# KiCad board CM4IOv5_original_harmonized.kicad_pcb (continued)
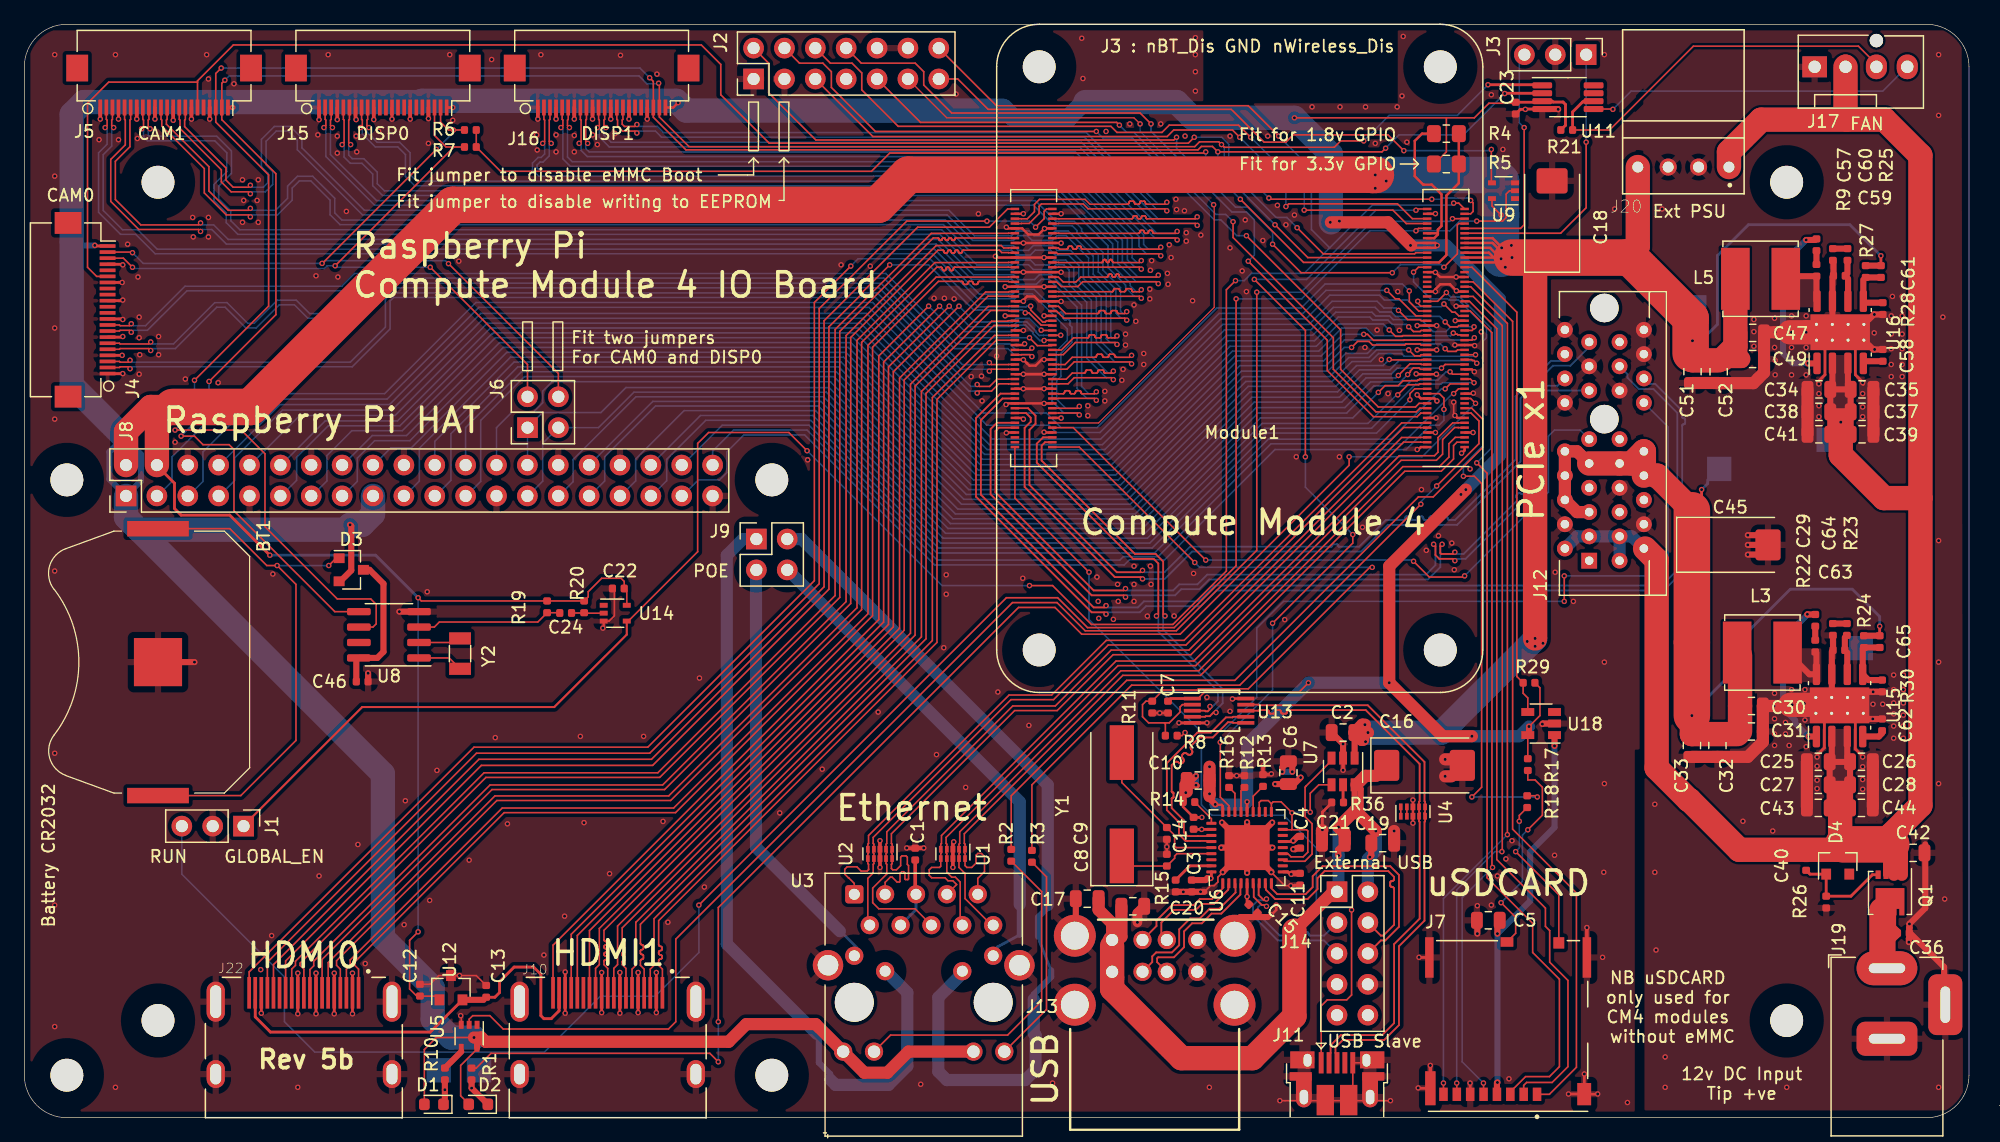
[diagram p0: board, top side]
## Routing (per net, layer and track width the routed paths; a pad name or vN(x,y) marks a point on that pad's centre or on a via; arc(x,y) is an arc through that point) (continued)
  Bottom w0.127: v1(88.2,59.75) 88.04,59.59 87.58,59.59 86.99,60.18 86.99,66.88 84.48,69.39 83.52,69.39 83.12,68.99 81.78,68.99 81.38,69.39 78.08,69.39 75.18,72.29 16.78,72.29 15.58,73.49 14.66,73.49 v1(14.5,73.65)
/CM4_HighSpeed/CAM1_D2_N: length 104.5
  Top w0.127: Module1.133 85.11,61.6 85.12,61.61 85.78,61.61 86.38,62.21 90.94,62.21 v1(91.1,62.05) ; v1(18.6,74.15) 18.44,74.31 16.62,74.31 14.81,76.12 14.81,78.12 11.31,81.62 11.31,82.11 11.25,82.17 J5.11
  Bottom w0.127: v1(91.1,62.05) 90.94,62.21 89.72,62.21 88.21,63.72 88.21,67.47 86.76,68.92 86.76,70.17 85.92,71.01 84.82,71.01 84.42,71.41 83.18,71.41 82.78,71.01 81.62,71.01 81.22,71.41 77.72,71.41 75.62,73.51 25.97,73.51 25.16,74.32 25.16,75.52 23.57,77.11 22.63,77.11 22.04,76.52 22.04,75.52 20.83,74.31 18.76,74.31 v1(18.6,74.15)
/CM4_HighSpeed/CAM1_D2_P: length 104.4
  Top w0.127: Module1.135 85.11,62 85.12,61.99 85.62,61.99 86.22,62.59 88.09,62.59 88.12,62.59 88.14,62.6 88.17,62.62 88.19,62.64 88.2,62.66 88.21,62.69 88.22,62.74 88.23,62.77 88.24,62.79 88.26,62.81 88.29,62.83 88.31,62.84 88.34,62.84 88.59,62.84 88.62,62.84 88.64,62.83 88.67,62.81 88.69,62.79 88.7,62.77 88.71,62.74 88.72,62.69 88.73,62.66 88.74,62.64 88.76,62.62 88.79,62.6 88.81,62.59 88.84,62.59 89.09,62.59 89.12,62.59 89.14,62.6 89.17,62.62 89.19,62.64 89.2,62.66 89.21,62.69 89.22,62.74 89.23,62.77 89.24,62.79 89.26,62.81 89.29,62.83 89.31,62.84 89.34,62.84 89.59,62.84 89.62,62.84 89.64,62.83 89.67,62.81 89.69,62.79 89.7,62.77 89.71,62.74 89.72,62.69 89.73,62.66 89.74,62.64 89.76,62.62 89.79,62.6 89.81,62.59 89.84,62.59 90.94,62.59 v1(91.1,62.75) ; J5.12 11.75,82.17 11.69,82.11 11.69,81.78 15.19,78.28 15.19,76.28 16.78,74.69 18.44,74.69 v1(18.6,74.85)
  Bottom w0.127: v1(18.6,74.85) 18.76,74.69 20.67,74.69 21.66,75.68 21.66,76.68 22.47,77.49 23.73,77.49 25.54,75.68 25.54,74.48 26.13,73.89 75.78,73.89 77.88,71.79 81.38,71.79 81.78,71.39 82.62,71.39 83.02,71.79 84.58,71.79 84.98,71.39 86.08,71.39 87.14,70.33 87.14,69.08 88.59,67.63 88.59,63.88 89.88,62.59 90.94,62.59 v1(91.1,62.75)
/CM4_HighSpeed/CAM1_D3_N: length 103.9
  Top w0.127: v1(89.9,63.65) 89.74,63.81 86.48,63.81 85.48,62.81 85.12,62.81 85.11,62.8 Module1.139 ; J5.14 12.75,82.17 12.81,82.11 12.81,81.42 16.21,78.02 16.21,77.02 17.02,76.21 18.44,76.21 v1(18.6,76.05)
  Bottom w0.127: v1(18.6,76.05) 18.76,76.21 19.83,76.21 20.44,76.82 20.44,77.88 19.89,78.43 19.89,80.37 20.73,81.21 21.72,81.21 22.46,80.47 22.46,79.67 27.82,74.31 75.92,74.31 78.02,72.21 81.38,72.21 81.78,72.61 82.52,72.61 82.92,72.21 84.58,72.21 84.98,72.61 85.72,72.61 87.56,70.77 87.56,69.27 89.01,67.82 89.01,64.12 89.32,63.81 89.74,63.81 v1(89.9,63.65)
/CM4_HighSpeed/CAM1_D3_P: length 103.8
  Top w0.127: J5.15 13.25,82.17 13.19,82.11 13.19,81.58 16.59,78.18 16.59,77.18 17.18,76.59 18.44,76.59 v1(18.6,76.75) ; v1(89.9,64.35) 89.74,64.19 89.21,64.19 89.18,64.19 89.16,64.2 89.13,64.22 89.11,64.24 89.1,64.26 89.09,64.29 89.08,64.34 89.07,64.37 89.06,64.39 89.04,64.41 89.01,64.43 88.99,64.44 88.96,64.44 88.71,64.44 88.68,64.44 88.66,64.43 88.63,64.41 88.61,64.39 88.6,64.37 88.59,64.34 88.58,64.29 88.57,64.26 88.56,64.24 88.54,64.22 88.51,64.2 88.49,64.19 88.46,64.19 88.21,64.19 88.18,64.19 88.16,64.2 88.13,64.22 88.11,64.24 88.1,64.26 88.09,64.29 88.08,64.34 88.07,64.37 88.06,64.39 88.04,64.41 88.01,64.43 87.99,64.44 87.96,64.44 87.71,64.44 87.68,64.44 87.66,64.43 87.63,64.41 87.61,64.39 87.6,64.37 87.59,64.34 87.58,64.29 87.57,64.26 87.56,64.24 87.54,64.22 87.51,64.2 87.49,64.19 87.46,64.19 86.32,64.19 85.32,63.19 85.12,63.19 85.11,63.2 Module1.141
  Bottom w0.127: v1(18.6,76.75) 18.76,76.59 19.67,76.59 20.06,76.98 20.06,77.72 19.51,78.27 19.51,80.53 20.57,81.59 21.88,81.59 22.84,80.63 22.84,79.83 27.98,74.69 76.08,74.69 78.18,72.59 81.22,72.59 81.62,72.99 82.68,72.99 83.08,72.59 84.42,72.59 84.82,72.99 85.88,72.99 87.94,70.93 87.94,69.43 89.39,67.98 89.39,64.28 89.48,64.19 89.74,64.19 v1(89.9,64.35)
/CM4_HighSpeed/CAM_GPIO: length 143.1
  Top w0.13: v1(96.25,80.7) 95.77,80.21 61.29,80.21 57.3,84.2 57.3,86.7 55.7,88.3 17.2,88.3 14.25,85.35 14.25,85.24 ; Module1.97 119,74.4 119.2,74.6 119.2,75.3 v1(119,75.5) ; v1(102.4,75.7) 102.5,75.6 v1(115.8,75.6) ; 14.25,85.24 J5.17 ; 14.25,85.24 6.94,85.24 5.2,83.5 5.2,70 5.95,69.25 J4.17
  Bottom w0.13: v1(102.4,75.7) 99.1,79 99.1,80.12 98.52,80.7 v1(96.25,80.7) ; v1(119,75.5) 118.8,75.7 116.7,75.7 116.6,75.6 v1(115.8,75.6)
/CM4_HighSpeed/DSI0_C_N: length 83.8
  Top w0.127: v1(27.65,81.5) 27.81,81.66 27.81,82.11 27.75,82.17 J15.8 ; v1(93.3,68.65) 93.14,68.81 87.08,68.81 86.68,68.41 85.32,68.41 84.92,68.81
  Bottom w0.127: v1(93.3,68.65) 93.14,68.81 91.47,68.81 89.96,70.32 89.96,72.07 85.32,76.71 32.12,76.71 31.36,77.47 31.36,79.27 30.72,79.91 28.87,79.91 27.81,80.97 27.81,81.34 v1(27.65,81.5)
/CM4_HighSpeed/DSI0_C_P: length 83.8
  Top w0.127: v1(28.35,81.5) 28.19,81.66 28.19,82.11 28.25,82.17 J15.9 ; 84.84,69.19 85.08,69.19 85.48,68.79 86.52,68.79 86.92,69.19 89.06,69.19 89.09,69.19 89.12,69.2 89.14,69.22 89.16,69.24 89.18,69.26 89.18,69.29 89.19,69.34 89.2,69.37 89.21,69.39 89.23,69.41 89.26,69.42 89.28,69.43 89.31,69.44 89.36,69.44 89.39,69.43 89.42,69.42 89.44,69.41 89.46,69.39 89.48,69.37 89.48,69.34 89.49,69.29 89.5,69.26 89.51,69.24 89.53,69.22 89.56,69.2 89.58,69.19 89.61,69.19 89.66,69.19 89.69,69.19 89.72,69.2 89.74,69.22 89.76,69.24 89.78,69.26 89.78,69.29 89.79,69.34 89.8,69.37 89.81,69.39 89.83,69.41 89.86,69.42 89.88,69.43 89.91,69.44 89.96,69.44 89.99,69.43 90.02,69.42 90.04,69.41 90.06,69.39 90.08,69.37 90.08,69.34 90.09,69.29 90.1,69.26 90.11,69.24 90.13,69.22 90.16,69.2 90.18,69.19 90.21,69.19 93.14,69.19 v1(93.3,69.35)
  Bottom w0.127: v1(93.3,69.35) 93.14,69.19 91.63,69.19 90.34,70.48 90.34,72.23 85.48,77.09 32.28,77.09 31.74,77.63 31.74,79.43 30.88,80.29 29.03,80.29 28.19,81.13 28.19,81.34 v1(28.35,81.5)
/CM4_HighSpeed/DSI0_D0_N: length 83.9
  Top w0.127: v1(24.65,81.5) 24.81,81.66 24.81,82.11 24.75,82.17 J15.2 ; v1(90.7,65.65) 90.54,65.81 85.52,65.81 84.92,66.41
  Bottom w0.127: v1(24.65,81.5) 24.81,81.34 24.81,79.12 28.82,75.11 83.02,75.11 84.72,73.41 86.22,73.41 86.61,73.02 86.61,72.82 88.36,71.07 88.36,69.62 89.81,68.17 89.81,66.22 90.22,65.81 90.54,65.81 v1(90.7,65.65)
/CM4_HighSpeed/DSI0_D0_P: length 83.9
  Top w0.127: v1(25.35,81.5) 25.19,81.66 25.19,82.11 25.25,82.17 J15.3 ; 84.84,66.79 85.08,66.79 85.68,66.19 88.29,66.19 88.32,66.19 88.35,66.2 88.37,66.22 88.39,66.24 88.41,66.26 88.41,66.29 88.42,66.34 88.43,66.37 88.44,66.39 88.46,66.41 88.49,66.42 88.51,66.43 88.54,66.44 88.79,66.44 88.82,66.43 88.85,66.42 88.87,66.41 88.89,66.39 88.91,66.37 88.91,66.34 88.92,66.29 88.93,66.26 88.94,66.24 88.96,66.22 88.99,66.2 89.01,66.19 89.04,66.19 89.29,66.19 89.32,66.19 89.35,66.2 89.37,66.22 89.39,66.24 89.41,66.26 89.41,66.29 89.42,66.34 89.43,66.37 89.44,66.39 89.46,66.41 89.49,66.42 89.51,66.43 89.54,66.44 89.79,66.44 89.82,66.43 89.85,66.42 89.87,66.41 89.89,66.39 89.91,66.37 89.91,66.34 89.92,66.29 89.93,66.26 89.94,66.24 89.96,66.22 89.99,66.2 90.01,66.19 90.04,66.19 90.54,66.19 v1(90.7,66.35)
  Bottom w0.127: v1(90.7,66.35) 90.54,66.19 90.38,66.19 90.19,66.38 90.19,68.33 88.74,69.78 88.74,71.23 86.99,72.98 86.99,73.18 86.38,73.79 84.88,73.79 83.18,75.49 28.98,75.49 25.19,79.28 25.19,81.34 v1(25.35,81.5)
/CM4_HighSpeed/DSI0_D1_N: length 83.8
  Top w0.127: J15.5 26.25,82.17 26.31,82.11 26.31,80.26 v1(26.15,80.1) ; Module1.163 85.11,67.6 85.12,67.61 91.74,67.61 v1(91.9,67.45)
  Bottom w0.127: v1(26.15,80.1) 26.31,79.94 26.31,79.07 26.82,78.56 27.77,78.56 28.66,77.67 28.66,76.72 29.47,75.91 85.02,75.91 89.16,71.77 89.16,69.97 90.61,68.52 90.61,68.32 91.32,67.61 91.74,67.61 v1(91.9,67.45)
/CM4_HighSpeed/DSI0_D1_P: length 83.7
  Top w0.127: v1(26.85,80.1) 26.69,80.26 26.69,82.11 26.75,82.17 J15.6 ; v1(91.9,68.15) 91.74,67.99 91.24,67.99 91.21,67.99 91.19,68 91.16,68.02 91.14,68.04 91.13,68.06 91.12,68.09 91.11,68.14 91.1,68.17 91.09,68.19 91.07,68.21 91.04,68.23 91.02,68.24 90.99,68.24 90.74,68.24 90.71,68.24 90.69,68.23 90.66,68.21 90.64,68.19 90.63,68.17 90.62,68.14 90.61,68.09 90.6,68.06 90.59,68.04 90.57,68.02 90.54,68 90.52,67.99 90.49,67.99 90.24,67.99 90.21,67.99 90.19,68 90.16,68.02 90.14,68.04 90.13,68.06 90.12,68.09 90.11,68.14 90.1,68.17 90.09,68.19 90.07,68.21 90.04,68.23 90.02,68.24 89.99,68.24 89.74,68.24 89.71,68.24 89.69,68.23 89.66,68.21 89.64,68.19 89.63,68.17 89.62,68.14 89.61,68.09 89.6,68.06 89.59,68.04 89.57,68.02 89.54,68 89.52,67.99 89.49,67.99 85.12,67.99 85.11,68 Module1.165
  Bottom w0.127: v1(91.9,68.15) 91.74,67.99 91.48,67.99 90.99,68.48 90.99,68.68 89.54,70.13 89.54,71.93 85.18,76.29 29.63,76.29 29.04,76.88 29.04,77.83 27.93,78.94 26.98,78.94 26.69,79.23 26.69,79.94 v1(26.85,80.1)
/CM4_HighSpeed/DSI1_C_N: length 66.1
  Top w0.127: v1(45.65,80.2) 45.81,80.36 45.81,82.11 45.75,82.17 J16.8 ; Module1.187 85.11,72.4 85.12,72.41 94.69,72.41 v1(94.85,72.25)
  Bottom w0.127: v1(45.65,80.2) 45.81,80.04 45.81,79.62 46.32,79.11 86.32,79.11 93.02,72.41 94.69,72.41 v1(94.85,72.25)
/CM4_HighSpeed/DSI1_C_P: length 66.1
  Top w0.127: Module1.189 85.11,72.8 85.12,72.79 91.66,72.79 91.69,72.79 91.71,72.8 91.74,72.82 91.76,72.84 91.77,72.86 91.78,72.89 91.79,72.94 91.8,72.97 91.81,72.99 91.83,73.01 91.86,73.03 91.88,73.04 91.91,73.04 92.01,73.04 92.04,73.04 92.06,73.03 92.09,73.01 92.11,72.99 92.12,72.97 92.13,72.94 92.14,72.89 92.15,72.86 92.16,72.84 92.18,72.82 92.21,72.8 92.23,72.79 92.26,72.79 92.36,72.79 92.39,72.79 92.41,72.8 92.44,72.82 92.46,72.84 92.47,72.86 92.48,72.89 92.49,72.94 92.5,72.97 92.51,72.99 92.53,73.01 92.56,73.03 92.58,73.04 92.61,73.04 92.71,73.04 92.74,73.04 92.76,73.03 92.79,73.01 92.81,72.99 92.82,72.97 92.83,72.94 92.84,72.89 92.85,72.86 92.86,72.84 92.88,72.82 92.91,72.8 92.93,72.79 92.96,72.79 94.69,72.79 v1(94.85,72.95) ; v1(46.35,80.2) 46.19,80.36 46.19,82.11 46.25,82.17 J16.9
  Bottom w0.127: v1(46.35,80.2) 46.19,80.04 46.19,79.78 46.48,79.49 86.48,79.49 93.18,72.79 94.69,72.79 v1(94.85,72.95)
/CM4_HighSpeed/DSI1_D0_N: length 67.7
  Top w0.127: J16.2 42.75,82.17 42.81,82.11 42.81,80.36 v1(42.65,80.2) ; v1(91.9,69.85) 91.74,70.01 85.12,70.01 85.11,70 Module1.175
  Bottom w0.127: v1(91.9,69.85) 91.74,70.01 91.37,70.01 90.76,70.62 90.76,72.37 85.62,77.51 42.32,77.51 41.81,78.02 41.81,78.58 42.27,79.04 42.52,79.04 42.81,79.33 42.81,80.04 v1(42.65,80.2)
/CM4_HighSpeed/DSI1_D0_P: length 67.7
  Top w0.127: v1(91.9,70.55) 91.74,70.39 89.64,70.39 89.61,70.39 89.59,70.4 89.56,70.42 89.54,70.44 89.53,70.46 89.52,70.49 89.51,70.54 89.5,70.57 89.49,70.59 89.47,70.61 89.44,70.63 89.42,70.64 89.39,70.64 89.38,70.64 89.35,70.64 89.33,70.63 89.3,70.61 89.28,70.59 89.27,70.57 89.26,70.54 89.25,70.49 89.24,70.46 89.23,70.44 89.21,70.42 89.18,70.4 89.16,70.39 89.13,70.39 89.14,70.39 89.11,70.39 89.09,70.4 89.06,70.42 89.04,70.44 89.03,70.46 89.02,70.49 89.01,70.54 89,70.57 88.99,70.59 88.97,70.61 88.94,70.63 88.92,70.64 88.89,70.64 88.88,70.64 88.85,70.64 88.83,70.63 88.8,70.61 88.78,70.59 88.77,70.57 88.76,70.54 88.75,70.49 88.74,70.46 88.73,70.44 88.71,70.42 88.68,70.4 88.66,70.39 88.63,70.39 85.12,70.39 85.11,70.4 Module1.177 ; J16.3 43.25,82.17 43.19,82.11 43.19,80.36 v1(43.35,80.2)
  Bottom w0.127: v1(91.9,70.55) 91.74,70.39 91.53,70.39 91.14,70.78 91.14,72.53 85.78,77.89 42.48,77.89 42.19,78.18 42.19,78.42 42.43,78.66 42.68,78.66 43.19,79.17 43.19,80.04 v1(43.35,80.2)
/CM4_HighSpeed/DSI1_D1_N: length 66
  Top w0.127: J16.5 44.25,82.17 44.31,82.11 44.31,81.66 v1(44.15,81.5) ; v1(93.5,70.95) 93.34,71.11 85.02,71.11 84.92,71.21
  Bottom w0.127: v1(44.15,81.5) 44.31,81.34 44.31,78.92 44.92,78.31 85.92,78.31 91.71,72.52 91.71,71.72 92.32,71.11 93.34,71.11 v1(93.5,70.95)
/CM4_HighSpeed/DSI1_D1_P: length 66
  Top w0.127: 84.84,71.59 85.08,71.59 85.18,71.49 85.76,71.49 85.79,71.49 85.81,71.5 85.84,71.52 85.86,71.54 85.87,71.56 85.88,71.59 85.89,71.64 85.89,71.67 85.91,71.69 85.93,71.71 85.95,71.72 85.98,71.73 86.01,71.74 86.12,71.74 86.15,71.73 86.17,71.72 86.2,71.71 86.22,71.69 86.23,71.67 86.24,71.64 86.25,71.59 86.25,71.56 86.27,71.54 86.29,71.52 86.31,71.5 86.34,71.49 86.37,71.49 86.48,71.49 86.51,71.49 86.53,71.5 86.56,71.52 86.58,71.54 86.59,71.56 86.6,71.59 86.61,71.64 86.61,71.67 86.63,71.69 86.65,71.71 86.67,71.72 86.7,71.73 86.73,71.74 86.84,71.74 86.87,71.73 86.89,71.72 86.92,71.71 86.94,71.69 86.95,71.67 86.96,71.64 86.97,71.59 86.97,71.56 86.99,71.54 87.01,71.52 87.03,71.5 87.06,71.49 87.09,71.49 93.34,71.49 v1(93.5,71.65) ; v1(44.85,81.5) 44.69,81.66 44.69,82.11 44.75,82.17 J16.6
  Bottom w0.127: v1(93.5,71.65) 93.34,71.49 92.48,71.49 92.09,71.88 92.09,72.68 86.08,78.69 45.08,78.69 44.69,79.08 44.69,81.34 v1(44.85,81.5)
/CM4_HighSpeed/DSI1_D2_N: length 66.8
  Top w0.127: Module1.193 85.11,73.6 85.12,73.61 96.34,73.61 v1(96.5,73.45) ; v1(47.15,81.5) 47.31,81.66 47.31,82.11 47.25,82.17 J16.11
  Bottom w0.127: v1(47.15,81.5) 47.31,81.34 47.31,80.72 48.12,79.91 86.82,79.91 93.12,73.61 96.34,73.61 v1(96.5,73.45)
/CM4_HighSpeed/DSI1_D2_P: length 66.7
  Top w0.127: v1(47.85,81.5) 47.69,81.66 47.69,82.11 47.75,82.17 J16.12 ; v1(96.5,74.15) 96.34,73.99 92.39,73.99 92.36,73.99 92.34,74 92.31,74.02 92.29,74.04 92.28,74.06 92.27,74.09 92.26,74.14 92.25,74.17 92.24,74.19 92.22,74.21 92.19,74.23 92.17,74.24 92.14,74.24 92.04,74.24 92.01,74.24 91.99,74.23 91.96,74.21 91.94,74.19 91.93,74.17 91.92,74.14 91.91,74.09 91.9,74.06 91.89,74.04 91.87,74.02 91.84,74 91.82,73.99 91.79,73.99 91.69,73.99 91.66,73.99 91.64,74 91.61,74.02 91.59,74.04 91.58,74.06 91.57,74.09 91.56,74.14 91.55,74.17 91.54,74.19 91.52,74.21 91.49,74.23 91.47,74.24 91.44,74.24 91.34,74.24 91.31,74.24 91.29,74.23 91.26,74.21 91.24,74.19 91.23,74.17 91.22,74.14 91.21,74.09 91.2,74.06 91.19,74.04 91.17,74.02 91.14,74 91.12,73.99 91.09,73.99 85.12,73.99 85.11,74 Module1.195
  Bottom w0.127: v1(47.85,81.5) 47.69,81.34 47.69,80.88 48.28,80.29 86.98,80.29 93.28,73.99 96.34,73.99 v1(96.5,74.15)
/CM4_HighSpeed/DSI1_D3_N: length 63.5
  Top w0.127: Module1.194 82.03,73.6 82.04,73.61 82.68,73.61 83.49,74.42 83.49,75.02 83.68,75.21 87.12,75.21 87.52,74.81 93.84,74.81 v1(94,74.65) ; J16.14 48.75,82.17 48.81,82.11 48.81,81.62 49.22,81.21 50.24,81.21 v1(50.4,81.05)
  Bottom w0.127: v1(94,74.65) 93.84,74.81 93.12,74.81 87.22,80.71 52.42,80.71 51.92,81.21 50.56,81.21 v1(50.4,81.05)
/CM4_HighSpeed/DSI1_D3_P: length 63.5
  Top w0.127: v1(50.4,81.75) 50.24,81.59 49.38,81.59 49.19,81.78 49.19,82.11 49.25,82.17 J16.15 ; Module1.196 82.03,74 82.04,73.99 82.52,73.99 83.11,74.58 83.11,75.18 83.52,75.59 87.28,75.59 87.68,75.19 90.76,75.19 90.79,75.19 90.81,75.2 90.84,75.22 90.86,75.24 90.87,75.26 90.88,75.29 90.89,75.34 90.9,75.37 90.91,75.39 90.93,75.41 90.96,75.43 90.98,75.44 91.01,75.44 91.21,75.44 91.24,75.44 91.26,75.43 91.29,75.41 91.31,75.39 91.32,75.37 91.33,75.34 91.34,75.29 91.35,75.26 91.36,75.24 91.38,75.22 91.41,75.2 91.43,75.19 91.46,75.19 91.66,75.19 91.69,75.19 91.71,75.2 91.74,75.22 91.76,75.24 91.77,75.26 91.78,75.29 91.79,75.34 91.8,75.37 91.81,75.39 91.83,75.41 91.86,75.43 91.88,75.44 91.91,75.44 92.11,75.44 92.14,75.44 92.16,75.43 92.19,75.41 92.21,75.39 92.22,75.37 92.23,75.34 92.24,75.29 92.25,75.26 92.26,75.24 92.28,75.22 92.31,75.2 92.33,75.19 92.36,75.19 93.84,75.19 v1(94,75.35)
  Bottom w0.127: v1(50.4,81.75) 50.56,81.59 52.08,81.59 52.58,81.09 87.38,81.09 93.28,75.19 93.84,75.19 v1(94,75.35)
/CM4_HighSpeed/HDMI0_CEC: length 104.2
  Top w0.13: J22.13 21.5,12.9 37.6,29 51.7,29 66.2,43.5 66.2,65.1 69,67.9 69,68 v1(71.2,70.2) ; 84.54,65.24 83.66,65.24 82.65,66.25 v1(82.35,66.25)
  Bottom w0.13: v1(71.2,70.2) 74.4,70.2 78.12,66.48 82.13,66.48 v1(82.35,66.25)
/CM4_HighSpeed/HDMI0_CK_N: length 99.6
  Top w0.127: J22.12 22,12.23 22.31,12.54 22.31,12.88 37.82,28.39 52.12,28.39 66.71,42.98 66.71,64.88 74.62,72.79 80.96,72.79 80.97,72.8 Module1.190
/CM4_HighSpeed/HDMI0_CK_P: length 99.6
  Top w0.127: J22.10 23,12.23 22.69,12.54 22.69,12.72 37.98,28.01 52.28,28.01 67.09,42.82 67.09,64.72 74.78,72.41 75.16,72.41 75.18,72.41 75.2,72.4 75.22,72.39 75.23,72.37 75.25,72.36 75.25,72.34 75.26,72.29 75.27,72.27 75.28,72.25 75.29,72.24 75.31,72.23 75.33,72.22 75.35,72.22 75.42,72.22 75.44,72.22 75.46,72.23 75.48,72.24 75.49,72.25 75.51,72.27 75.51,72.29 75.52,72.34 75.53,72.36 75.54,72.37 75.55,72.39 75.57,72.4 75.59,72.41 75.61,72.41 75.68,72.41 75.7,72.41 75.72,72.4 75.74,72.39 75.75,72.37 75.77,72.36 75.77,72.34 75.78,72.29 75.79,72.27 75.8,72.25 75.81,72.24 75.83,72.23 75.85,72.22 75.87,72.22 75.94,72.22 75.96,72.22 75.98,72.23 76,72.24 76.01,72.25 76.03,72.27 76.03,72.29 76.04,72.34 76.05,72.36 76.06,72.37 76.07,72.39 76.09,72.4 76.11,72.41 76.13,72.41 76.2,72.41 76.22,72.41 76.24,72.4 76.26,72.39 76.27,72.37 76.29,72.36 76.29,72.34 76.3,72.29 76.31,72.27 76.32,72.25 76.33,72.24 76.35,72.23 76.37,72.22 76.39,72.22 76.46,72.22 76.48,72.22 76.5,72.23 76.52,72.24 76.53,72.25 76.55,72.27 76.55,72.29 76.56,72.34 76.57,72.36 76.58,72.37 76.59,72.39 76.61,72.4 76.63,72.41 76.65,72.41 80.96,72.41 80.97,72.4 Module1.188
/CM4_HighSpeed/HDMI0_D0_N: length 98.2
  Top w0.127: Module1.184 80.97,71.6 80.96,71.59 80.58,71.59 80.38,71.79 75.02,71.79 67.61,64.38 67.61,42.48 52.52,27.39 38.32,27.39 23.81,12.88 23.81,12.5 23.5,12.19 23.5,9.78
/CM4_HighSpeed/HDMI0_D0_P: length 98.2
  Top w0.127: Module1.182 80.97,71.2 80.96,71.21 80.42,71.21 80.22,71.41 77.29,71.41 77.26,71.41 77.24,71.4 77.21,71.38 77.19,71.36 77.18,71.34 77.17,71.31 77.16,71.26 77.15,71.23 77.14,71.21 77.12,71.19 77.09,71.17 77.07,71.16 77.04,71.16 76.99,71.16 76.96,71.16 76.94,71.17 76.91,71.19 76.89,71.21 76.88,71.23 76.87,71.26 76.86,71.31 76.85,71.34 76.84,71.36 76.82,71.38 76.79,71.4 76.77,71.41 76.74,71.41 76.69,71.41 76.66,71.41 76.64,71.4 76.61,71.38 76.59,71.36 76.58,71.34 76.57,71.31 76.56,71.26 76.55,71.23 76.54,71.21 76.52,71.19 76.49,71.17 76.47,71.16 76.44,71.16 76.39,71.16 76.36,71.16 76.34,71.17 76.31,71.19 76.29,71.21 76.28,71.23 76.27,71.26 76.26,71.31 76.25,71.34 76.24,71.36 76.22,71.38 76.19,71.4 76.17,71.41 76.14,71.41 76.09,71.41 76.06,71.41 76.04,71.4 76.01,71.38 75.99,71.36 75.98,71.34 75.97,71.31 75.96,71.26 75.95,71.23 75.94,71.21 75.92,71.19 75.89,71.17 75.87,71.16 75.84,71.16 75.79,71.16 75.76,71.16 75.74,71.17 75.71,71.19 75.69,71.21 75.68,71.23 75.67,71.26 75.66,71.31 75.65,71.34 75.64,71.36 75.62,71.38 75.59,71.4 75.57,71.41 75.54,71.41 75.18,71.41 67.99,64.22 67.99,42.32 52.68,27.01 38.48,27.01 24.5,13.03 24.5,9.78
/CM4_HighSpeed/HDMI0_D1_N: length 95.7
  Top w0.127: J22.6 25,12.77 38.72,26.49 53.02,26.49 68.51,41.98 68.51,63.98 74.92,70.39 80.96,70.39 80.97,70.4 Module1.178
/CM4_HighSpeed/HDMI0_D1_P: length 95.8
  Top w0.127: Module1.176 80.97,70 80.96,70.01 76.58,70.01 76.55,70.01 76.51,70 76.49,69.98 76.46,69.96 76.45,69.93 76.44,69.9 76.43,69.83 76.42,69.8 76.4,69.78 76.38,69.75 76.35,69.74 76.32,69.73 76.29,69.72 76.28,69.72 76.25,69.73 76.21,69.74 76.19,69.75 76.16,69.78 76.15,69.8 76.14,69.83 76.13,69.9 76.12,69.93 76.1,69.96 76.08,69.98 76.05,70 76.02,70.01 75.99,70.01 75.98,70.01 75.95,70.01 75.91,70 75.89,69.98 75.86,69.96 75.85,69.93 75.84,69.9 75.83,69.83 75.82,69.8 75.8,69.78 75.78,69.75 75.75,69.74 75.72,69.73 75.69,69.72 75.68,69.72 75.65,69.73 75.61,69.74 75.59,69.75 75.56,69.78 75.55,69.8 75.54,69.83 75.53,69.9 75.52,69.93 75.5,69.96 75.48,69.98 75.45,70 75.42,70.01 75.39,70.01 75.08,70.01 68.89,63.82 68.89,41.82 53.18,26.11 38.88,26.11 25.69,12.92 25.69,12.54 26,12.23 J22.4
/CM4_HighSpeed/HDMI0_D2_N: length 93.8
  Top w0.127: J22.3 26.5,12.23 26.81,12.54 26.81,12.98 39.32,25.49 53.42,25.49 69.41,41.48 69.41,63.58 75.02,69.19 80.96,69.19 80.97,69.2 Module1.172
/CM4_HighSpeed/HDMI0_D2_P: length 93.7
  Top w0.127: Module1.170 81.02,68.8 80.98,68.84 78.59,68.84 78.56,68.84 78.54,68.83 78.51,68.81 78.49,68.79 78.48,68.77 78.47,68.74 78.46,68.69 78.45,68.66 78.44,68.64 78.42,68.62 78.39,68.6 78.37,68.59 78.34,68.59 78.18,68.59 78.15,68.59 78.13,68.6 78.1,68.62 78.08,68.64 78.07,68.66 78.06,68.69 78.05,68.74 78.04,68.77 78.03,68.79 78.01,68.81 77.98,68.83 77.96,68.84 77.93,68.84 77.77,68.84 77.74,68.84 77.72,68.83 77.69,68.81 77.67,68.79 77.66,68.77 77.65,68.74 77.64,68.69 77.63,68.66 77.62,68.64 77.6,68.62 77.57,68.6 77.55,68.59 77.52,68.59 77.36,68.59 77.33,68.59 77.31,68.6 77.28,68.62 77.26,68.64 77.25,68.66 77.24,68.69 77.23,68.74 77.22,68.77 77.21,68.79 77.19,68.81 77.16,68.83 77.14,68.84 77.11,68.84 75.21,68.84 69.79,63.42 69.79,41.32 53.58,25.11 39.48,25.11 27.19,12.82 27.19,12.54 27.5,12.23 J22.1
/CM4_HighSpeed/HDMI0_HOTPLUG: length 108
  Top w0.13: v1(82.8,66.8) 82.8,66.48 83.78,65.5 84,65.5 84.1,65.6 Module1.153 ; J22.19 18.5,12 37,30.5 51.3,30.5 65,44.2 65,67.1 v1(68,70.1)
  Bottom w0.13: v1(82.8,66.8) 82.48,66.8 82.42,66.74 78.46,66.74 74.5,70.7 68.6,70.7 v1(68,70.1)
/CM4_HighSpeed/HDMI0_SCL: length 101.9
  Top w0.13: Module1.200 80.9,74.8 79.4,73.3 73.5,73.3 65.8,65.6 65.8,43.7 51.6,29.5 37.4,29.5 20.5,12.6 J22.15
/CM4_HighSpeed/HDMI0_SDA: length 106.8
  Top w0.13: v1(79.2,73.8) 72.6,73.8 65.4,66.6 65.4,43.95 51.45,30 37.2,30 20,12.8 J22.16 ; v1(83.2,73.3) 83.9,74 83.9,74.6 84.1,74.8 Module1.199
  Bottom w0.13: v1(83.2,73.3) 82.7,73.8 v1(79.2,73.8)
/CM4_HighSpeed/HDMI1_CEC: length 77.9
  Top w0.13: Module1.149 83.68,64.8 v1(83.66,64.82) ; v1(76.9,66.8) 71.5,61.4 71.5,40.4 46.5,15.4 J10.13
  Bottom w0.13: v1(76.9,66.8) 78.2,65.5 81.3,65.5 81.6,65.8 82.68,65.8 v1(83.66,64.82)
/CM4_HighSpeed/HDMI1_CK_N: length 73.9
  Top w0.127: 47,9.78 47,12.29 47.31,12.6 47.31,15.58 72.01,40.28 72.01,60.88 79.09,67.96 80.98,67.96 81.02,68 Module1.166
/CM4_HighSpeed/HDMI1_CK_P: length 73.9
  Top w0.127: J10.10 48,12.29 47.69,12.6 47.69,12.86 47.69,12.89 47.7,12.93 47.72,12.95 47.75,12.98 47.77,13 47.81,13.01 47.84,13.01 47.86,13.01 47.89,13.01 47.92,13.02 47.95,13.04 47.97,13.07 47.99,13.09 48,13.13 48.01,13.16 48,13.19 47.99,13.23 47.97,13.25 47.95,13.28 47.92,13.3 47.89,13.31 47.86,13.31 47.84,13.31 47.81,13.31 47.77,13.32 47.75,13.34 47.72,13.37 47.7,13.39 47.69,13.43 47.69,13.46 47.69,13.49 47.7,13.53 47.72,13.55 47.75,13.58 47.77,13.6 47.81,13.61 47.84,13.61 47.86,13.61 47.89,13.61 47.92,13.62 47.95,13.64 47.97,13.67 47.99,13.69 48,13.73 48.01,13.76 48,13.79 47.99,13.83 47.97,13.85 47.95,13.88 47.92,13.9 47.89,13.91 47.86,13.91 47.84,13.91 47.81,13.91 47.77,13.92 47.75,13.94 47.72,13.97 47.7,13.99 47.69,14.03 47.69,14.06 47.69,14.09 47.7,14.13 47.72,14.15 47.75,14.18 47.77,14.2 47.81,14.21 47.84,14.21 47.86,14.21 47.89,14.21 47.92,14.22 47.95,14.24 47.97,14.27 47.99,14.29 48,14.33 48.01,14.36 48,14.39 47.99,14.43 47.97,14.45 47.95,14.48 47.92,14.5 47.89,14.51 47.86,14.51 47.84,14.51 47.81,14.51 47.77,14.52 47.75,14.54 47.72,14.57 47.7,14.59 47.69,14.63 47.69,14.66 47.69,15.42 72.39,40.12 72.39,60.72 79.29,67.62 81,67.62 81.02,67.6 Module1.164
/CM4_HighSpeed/HDMI1_D0_N: length 71.5
  Top w0.127: Module1.160 81.02,66.8 81,66.78 79.31,66.78 72.91,60.38 72.91,39.88 48.81,15.78 48.81,12.6 48.5,12.29 J10.9
/CM4_HighSpeed/HDMI1_D0_P: length 71.4
  Top w0.127: Module1.158 81.02,66.4 80.98,66.44 79.51,66.44 73.29,60.22 73.29,39.72 49.19,15.62 49.19,14.11 49.19,14.08 49.2,14.06 49.22,14.03 49.24,14.01 49.26,14 49.29,13.99 49.34,13.98 49.37,13.97 49.39,13.96 49.41,13.94 49.43,13.91 49.44,13.89 49.44,13.86 49.44,13.76 49.44,13.73 49.43,13.71 49.41,13.68 49.39,13.66 49.37,13.65 49.34,13.64 49.29,13.63 49.26,13.62 49.24,13.61 49.22,13.59 49.2,13.56 49.19,13.54 49.19,13.51 49.19,13.41 49.19,13.38 49.2,13.36 49.22,13.33 49.24,13.31 49.26,13.3 49.29,13.29 49.34,13.28 49.37,13.27 49.39,13.26 49.41,13.24 49.43,13.21 49.44,13.19 49.44,13.16 49.44,13.06 49.44,13.03 49.43,13.01 49.41,12.98 49.39,12.96 49.37,12.95 49.34,12.94 49.29,12.93 49.26,12.92 49.24,12.91 49.22,12.89 49.2,12.86 49.19,12.84 49.19,12.81 49.19,12.6 49.5,12.29 J10.7
/CM4_HighSpeed/HDMI1_D1_N: length 69.5
  Top w0.127: J10.6 50,12.23 50.31,12.54 50.31,16.08 73.81,39.58 73.81,59.78 79.59,65.56 80.91,65.56 80.95,65.6 Module1.154
/CM4_HighSpeed/HDMI1_D1_P: length 69.4
  Top w0.127: Module1.152 80.97,65.2 80.96,65.21 79.78,65.21 74.19,59.62 74.19,39.42 50.69,15.92 50.69,14.36 50.69,14.33 50.7,14.31 50.72,14.28 50.74,14.26 50.76,14.25 50.79,14.24 50.84,14.23 50.87,14.22 50.89,14.21 50.91,14.19 50.93,14.16 50.94,14.14 50.94,14.11 50.94,13.96 50.94,13.93 50.93,13.91 50.91,13.88 50.89,13.86 50.87,13.85 50.84,13.84 50.79,13.83 50.76,13.82 50.74,13.81 50.72,13.79 50.7,13.76 50.69,13.74 50.69,13.71 50.69,13.56 50.69,13.53 50.7,13.51 50.72,13.48 50.74,13.46 50.76,13.45 50.79,13.44 50.84,13.43 50.87,13.42 50.89,13.41 50.91,13.39 50.93,13.36 50.94,13.34 50.94,13.31 50.94,13.16 50.94,13.13 50.93,13.11 50.91,13.08 50.89,13.06 50.87,13.05 50.84,13.04 50.79,13.03 50.76,13.02 50.74,13.01 50.72,12.99 50.7,12.96 50.69,12.94 50.69,12.91 50.69,12.54 51,12.23 J10.4
